# Altium PCB PCB1 - 副本 (2).PcbDoc (part 1 of 2)
Units mm, origin at the board's own origin, x right, y up, seen from the top; angles counter-clockwise.
Board outline 37.12 x 50.11 mm, 4 copper layers (Top Layer, GND02, PWRO3, Bottom Layer), stack 0.603 mm thick; 63 components, 63 nets, 344 pads, 86 vias.
Unrouted connection lines stored in the file: 23.
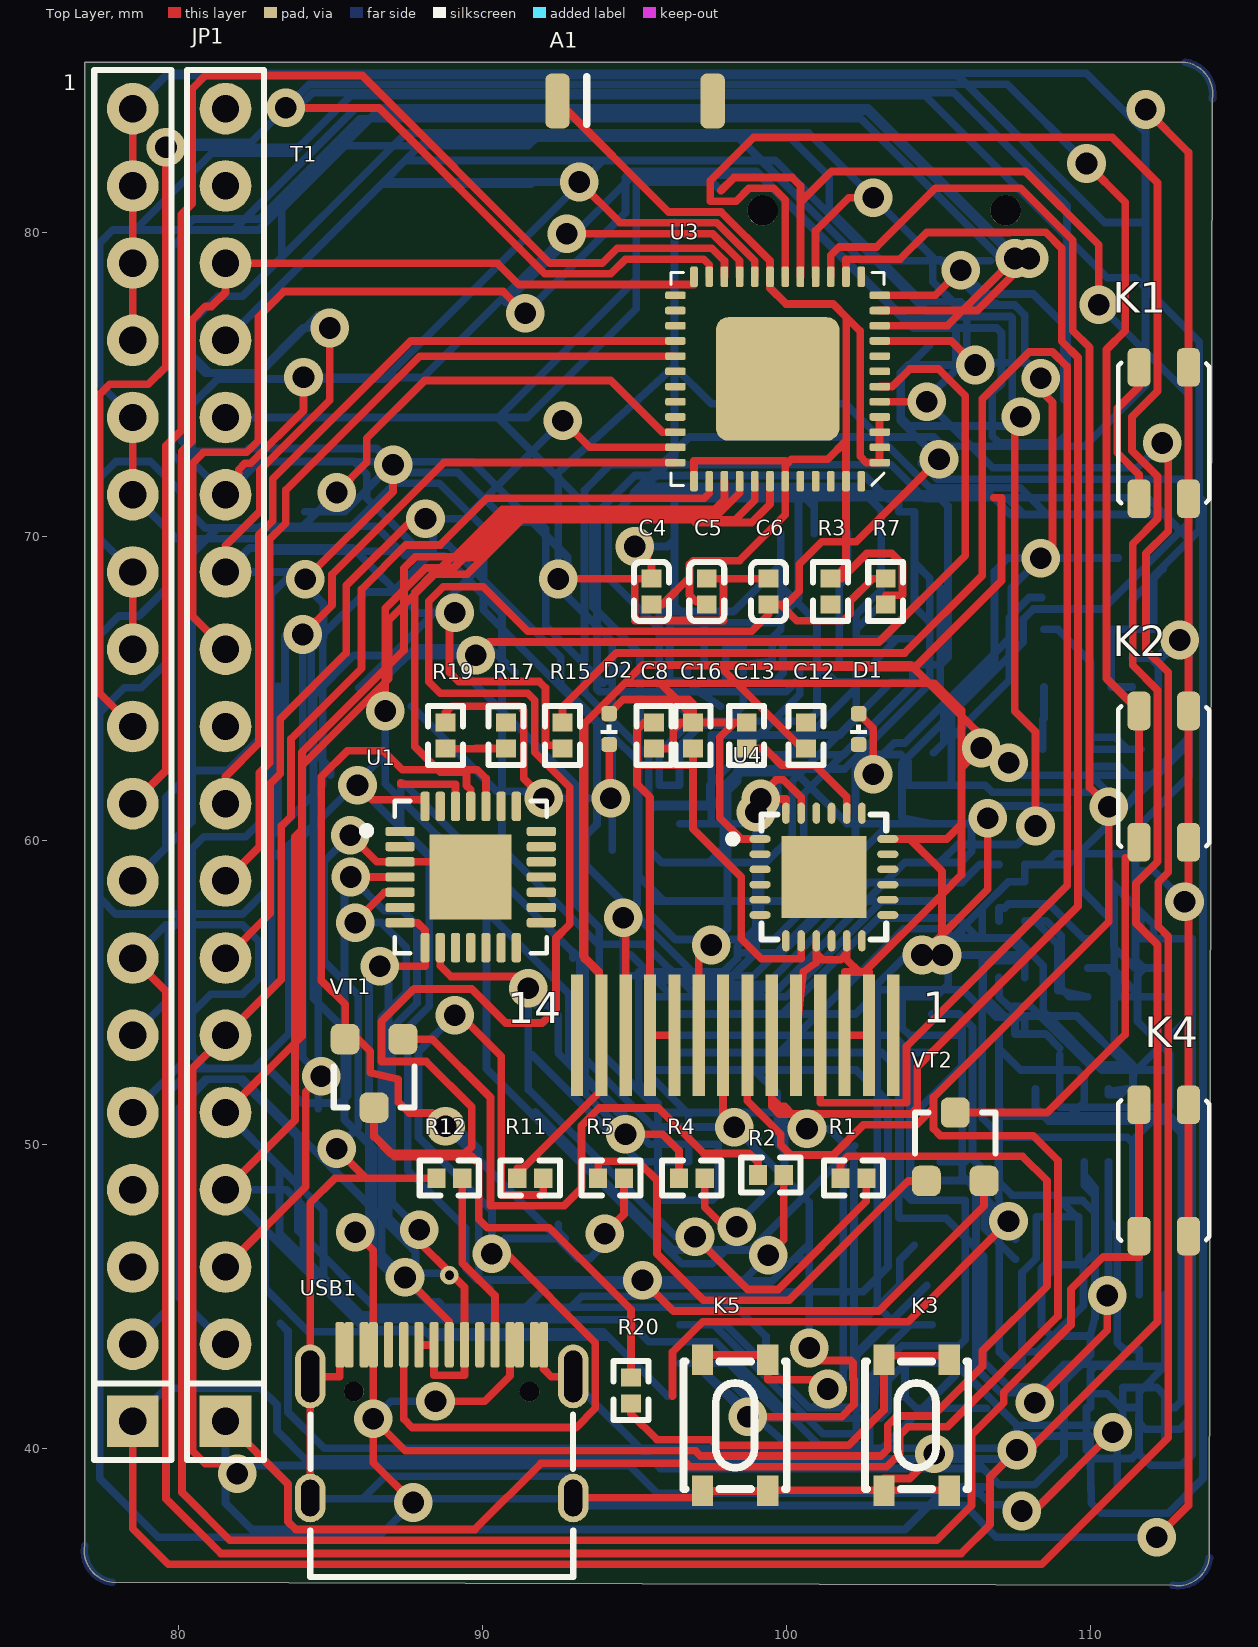
[diagram p0: Top Layer view]
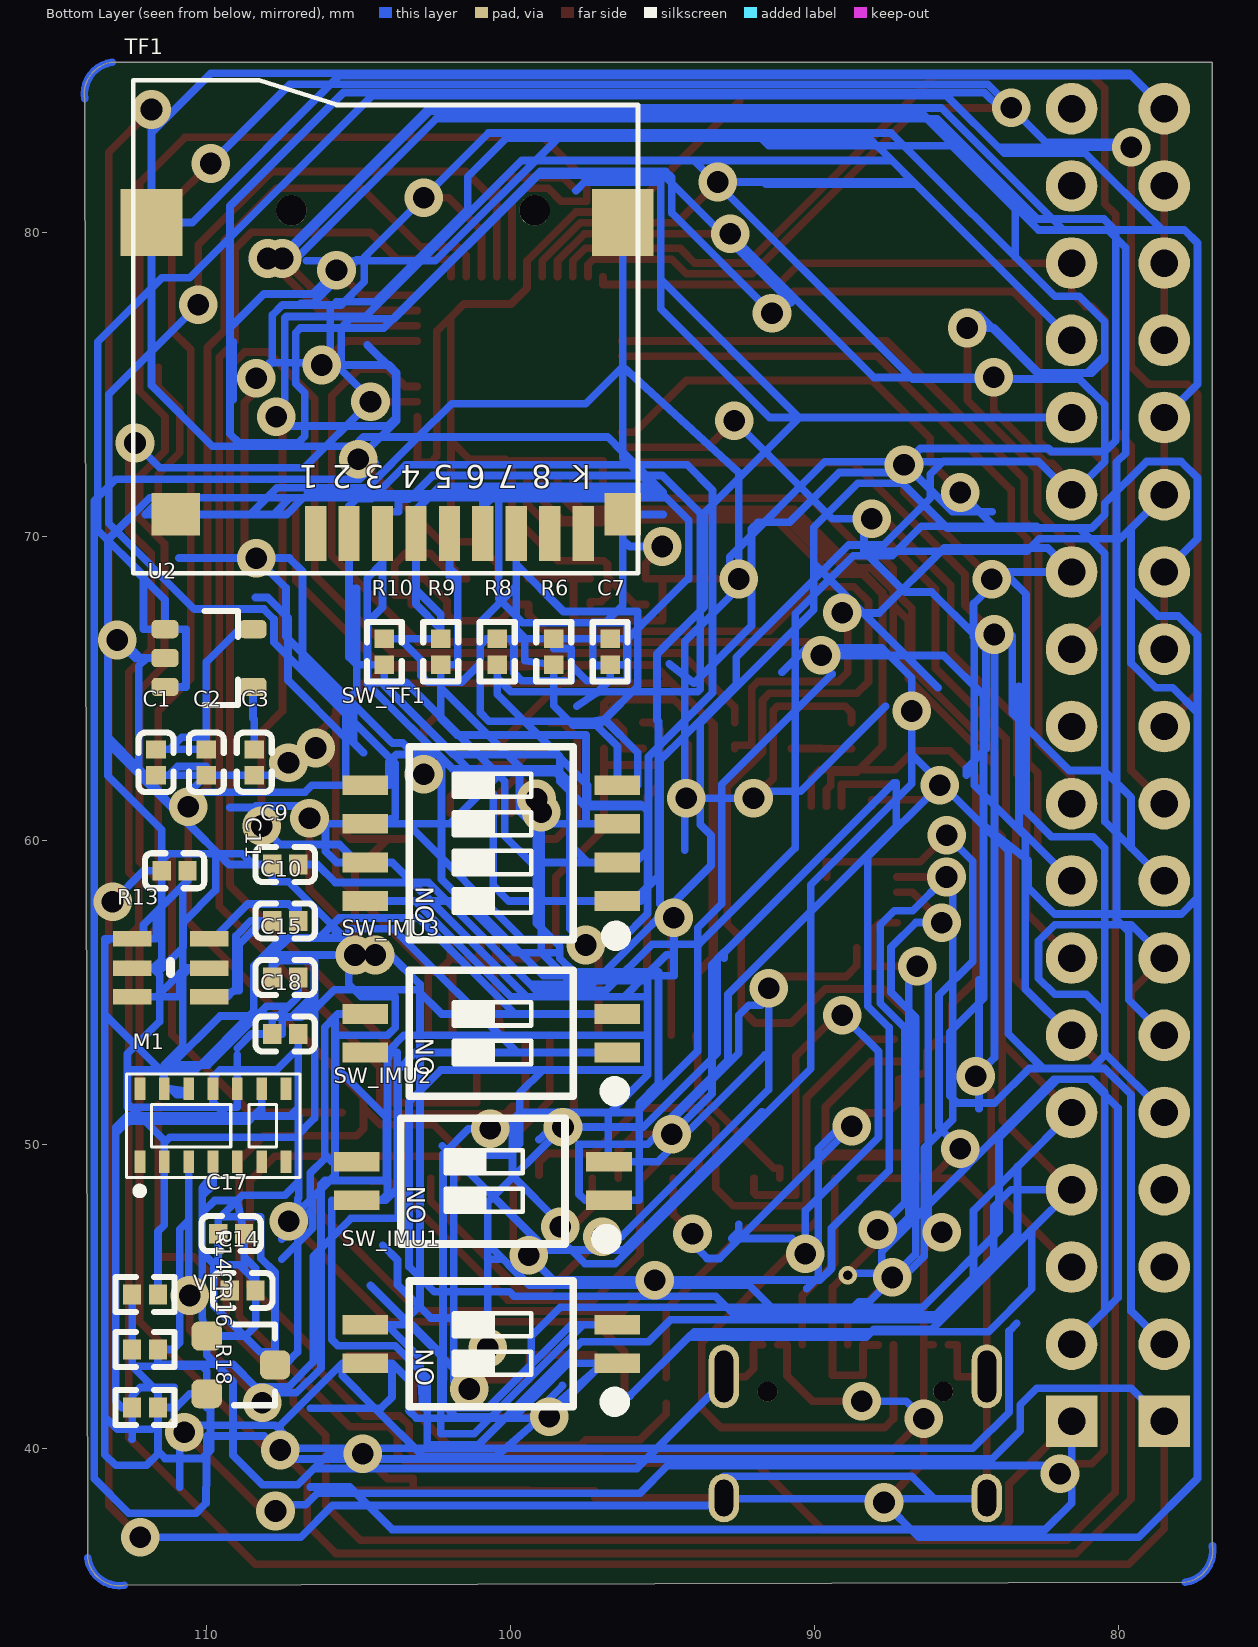
[diagram p1: Bottom Layer view, seen from below]
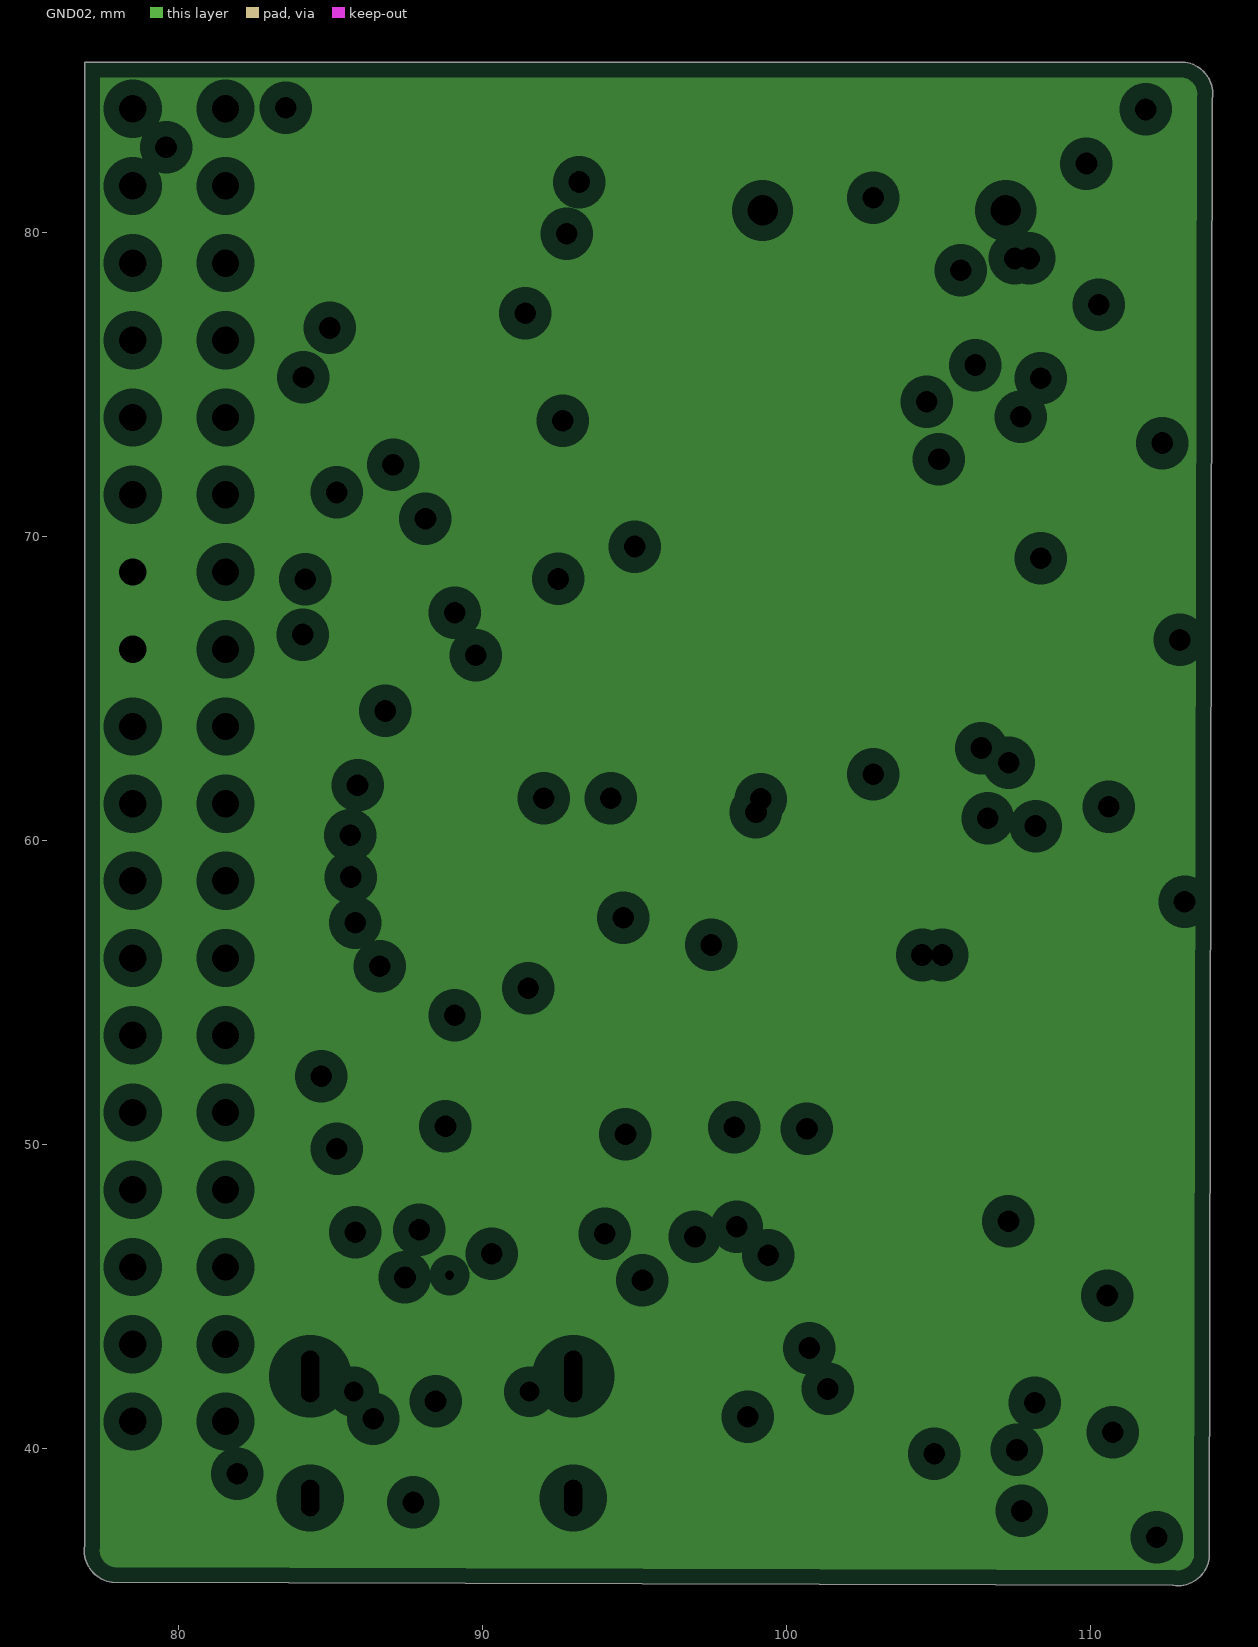
[diagram p2: GND02, clearances drawn from the general rule]
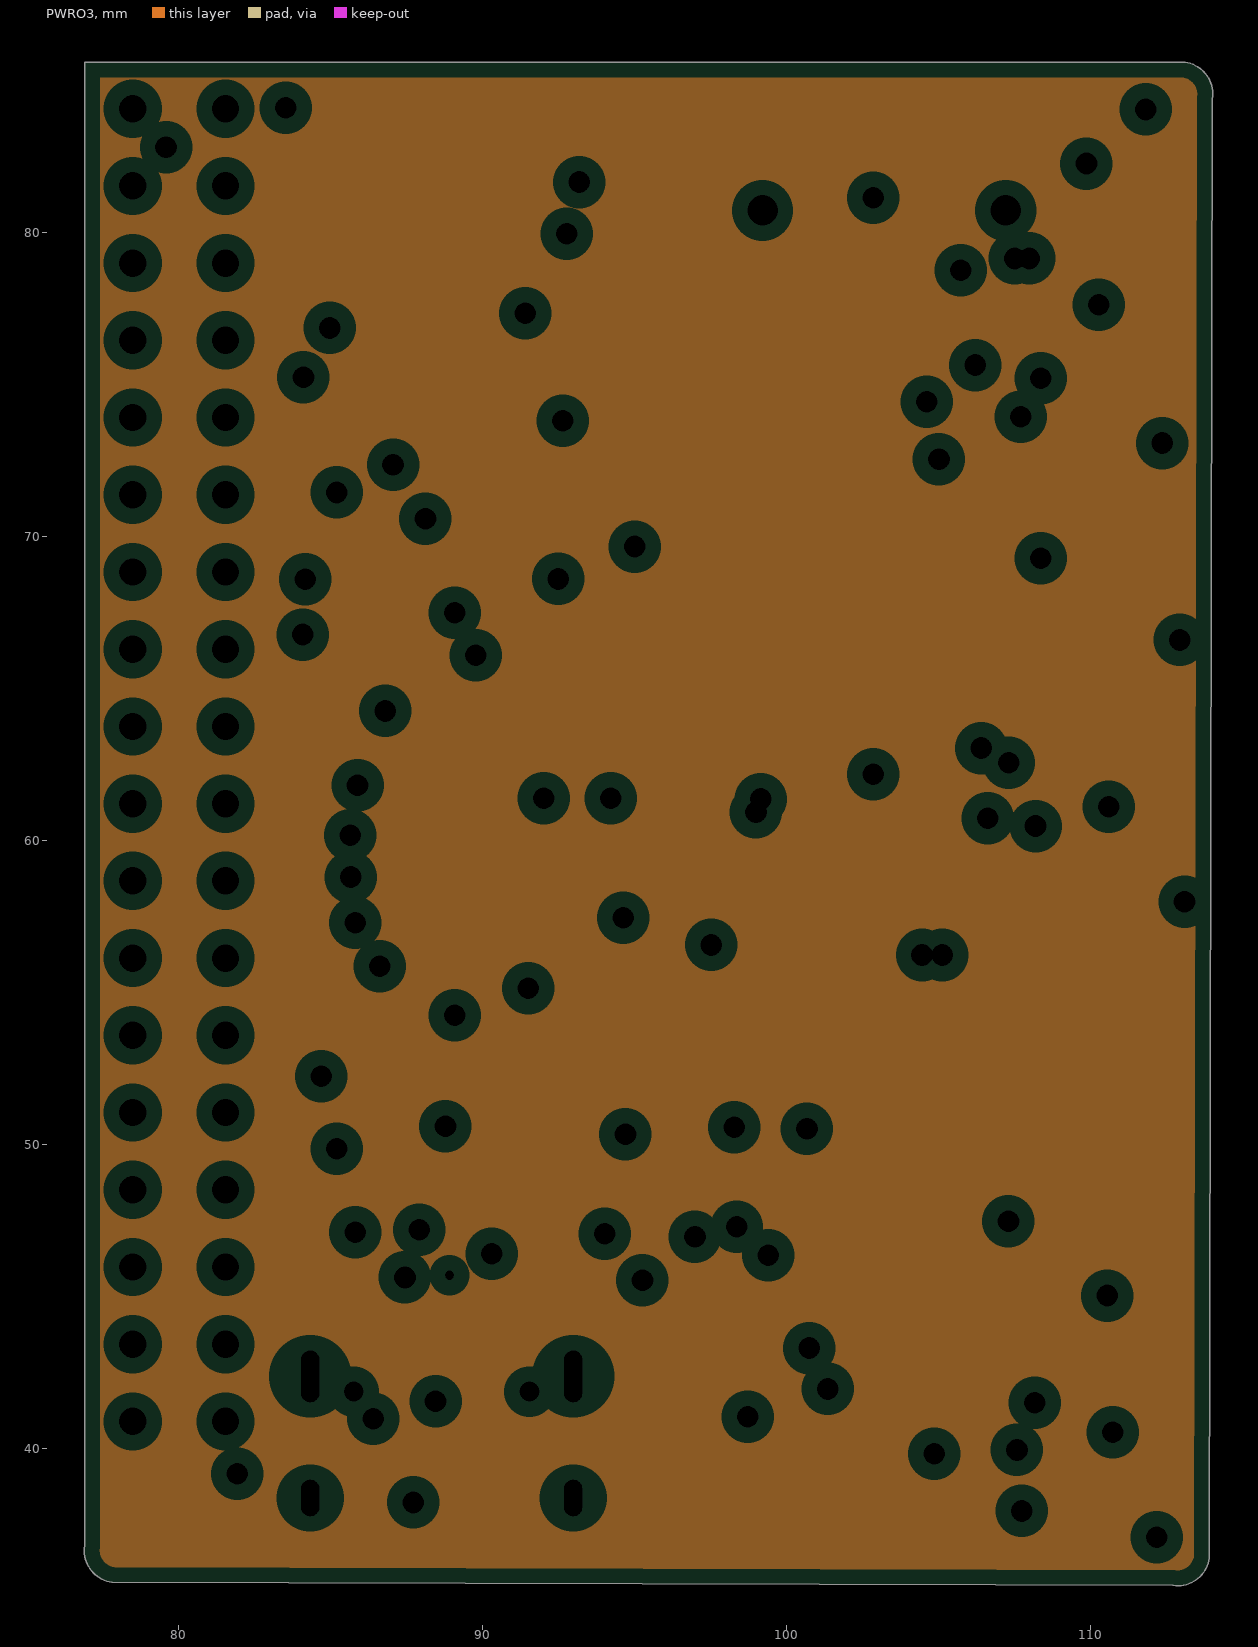
[diagram p3: PWRO3, clearances drawn from the general rule]

## Layer stack, top to bottom
Top Solder: solder mask 0.0102, Solder Resist, Dk 3.5
Top Layer: signal copper 0.0356
Dielectric 2: prepreg 0.0711, PP-006, Dk 4.1
GND02: plane copper 0.035, net VCC_3V3
Dielectric 1: dielectric 0.32, FR-4, Dk 4.8
PWRO3: plane copper 0.035
Dielectric 3: prepreg 0.0711, PP-006, Dk 4.1
Bottom Layer: signal copper 0.0356
Bottom Solder: solder mask 0.0102, Solder Resist, Dk 3.5

## Board outline
76.9,36.8 ccw(c77.95,36.65) 77.8,35.6 112.7,35.5 ccw(c112.85,36.55) 113.9,36.4 114,84.4 ccw(c112.95,84.55) 113.1,85.6 76.962,85.598 76.9,85.6

## Design rules (kind name [scope] priority, off if disabled: settings)
Clearance [All] p1: gap=0.1 ignorepadtopadclearanceinfootprint=FALSE
PlaneClearance [All] p1: clearance=0.508
PlaneConnect [All] p1: planeconnectstyle=Relief reliefexpansion=0.508 reliefentries=4 reliefconductorwidth=0.254 reliefairgap=0.254
PolygonConnect [All] p1: connectstyle=Relief reliefconductorwidth=0.254 reliefentries=4 polygonreliefangle="90 Angle" airgapwidth=0.254
RoutingVias [All] p1: holewidth=0.711 width=1.27 viastyle="Through Hole" minholewidth=0.711 minwidth=1.27 maxholewidth=0.711 maxwidth=1.27
SolderMaskExpansion [All] p1: expansion=0.102 istentingtop=FALSE
Width [All] p1: maxlimit=0.254 minlimit=0.254 preferedwidth=0.254
28 further rules are at their usual default settings.

## Components (designator, comment, footprint, x,y, rotation, side; value= is the part's Value field where it differs from the comment)
1 "HDR-1X18" HDR2.54-LI-18P 78.486,62.484 r90 top
A1 "RAINSUN" ANT-Rainsun-AN5120 94.996,84.328 r0 top
C1 "0.1uF" 0402_C 111.648,62.574 r90 bottom value=0.1u
C2 "10uF" 0402_C 109.998,62.574 r90 bottom value=0.1u
C3 "10nF" 0402_C 108.42,62.574 r90 bottom value=0.1u
C4 "10nF" 0402_C 95.545,68.191 r270 top value=0.1u
C5 "0.1uF" 0402_C 97.364,68.191 r270 top value=0.1u
C6 "0.1uF" 0402_C 99.398,68.191 r270 top value=0.1u
C7 "100nf" 0402_R 96.711,66.21 r90 bottom
C8 "10nF" 0402_R 95.631,63.456 r270 top value=0.1u
C9 "10uF (106) 10% 10V" 0402_C 107.4,59.214 r0 bottom
C10 "1uF (105) 10% 50V" 0402_C 107.4,57.356 r180 bottom
C11 "10uF (106) 10% 10V" 0402_C 111.039,59.007 r180 bottom
C12 "0.1uF" 0402_R 100.628,63.456 r270 top value=0.1u
C13 "2.2nF" 0402_R 98.679,63.456 r270 top value=0.1u
C14 "100nF (104) 10% 50V" 0402_C 108.8,45.2 r180 bottom
C15 "100nF (104) 10% 50V" 0402_C 107.4,55.498 r180 bottom
C16 "0.1uF" 0402_R 96.912,63.456 r270 top value=0.1u
C17 "100nF (104) 10% 50V" 0402_C 109.178,47.069 r180 bottom
C18 "10uF (106) 10% 10V" 0402_C 107.4,53.64 r0 bottom
D1 "color?" LED_0402_RED 102.362,63.667 r90 top
D2 "color?" LED_0402_RED 94.155,63.667 r90 top
JP1 "HDR-1X18" HDR2.54-LI-18P 81.534,62.484 r90 top
K1 "TACT 4P" ButtonTACT_3.5*3.55_90 112.395,73.406 r270 top value=3.4x3.5
K2 "TACT 4P" ButtonTACT_3.5*3.55_90 112.395,62.103 r270 top value=3.4x3.5
K3 "TACT 4P" "SW-SMD_4P-L4.2-W3.3-P2.15-LS5.1 - duplicate" 104.267,40.767 r90 top value=3.4x3.5
K4 "TACT 4P" ButtonTACT_3.5*3.55_90 112.395,49.149 r270 top value=3.4x3.5
K5 "TACT 4P" "SW-SMD_4P-L4.2-W3.3-P2.15-LS5.1 - duplicate" 98.298,40.767 r90 top value=3.4x3.5
M1 "MAX30102" MAX30102 109.769,50.364 r90 bottom
R1 "10K" 0402_R 102.19,48.895 r180 top value=22R
R2 "12K" 0402_R 99.475,49 r0 top value=22R
R3 "0R" 0402_R 101.432,68.191 r270 top value=22R
R4 "200R" 0402_R 96.874,48.895 r0 top value=22R
R5 "12K" 0402_R 94.216,48.895 r0 top value=22R
R6 "10K" 0402_R 98.569,66.21 r90 bottom
R7 "10K" 0402_R 103.251,68.191 r270 top value=22R
R8 "10K" 0402_R 100.427,66.21 r90 bottom
R9 "10K" 0402_R 102.285,66.21 r90 bottom
R10 "10K" 0402_R 104.143,66.21 r90 bottom
R11 "5.1K" 0402_R 91.558,48.895 r180 top value=22R
R12 "5.1K" 0402_R 88.9,48.895 r180 top value=22R
R13 "RCWL_9183" RCWL-9183 111.166,55.756 r270 bottom
R14 "4.7K" 0402_R 112.012,45.07 r0 bottom value=22R
R15 "10R" 0402_R 92.616,63.456 r90 top
R16 "4.7K" 0402_R 112.012,43.259 r0 bottom value=22R
R17 "1K" 0402_R 90.758,63.456 r90 top value=22R
R18 "4.7K" 0402_R 112.012,41.354 r0 bottom value=22R
R19 "1K" 0402_R 88.773,63.456 r90 top value=22R
R20 "1K" 0402_R 94.869,41.91 r90 top value=22R
SW_IMU1 "SW-2P" "SW1.27 SMD-2P" 100.624,43.442 r90 bottom
SW_IMU2 "SW-2P" "SW1.27 SMD-2P" 100.9,48.8 r90 bottom
SW_IMU3 "SW-2P" "SW1.27 SMD-2P" 100.624,53.662 r90 bottom
SW_TF1 "SW-4P" "SW1.27 SMD-4P" 100.624,59.915 r90 bottom
T1 "TFT177PF254" TFT144PF254 83.55,44.934 r0 top
TF1 "TF_Card" "Micro SD" 103.2,80.727 r0 bottom
U1 "CP2102" QFN-28 89.6,58.8 r0 top value=Value
U2 "LP2992 3V3" SOT23-5 109.857,66.004 r180 bottom
U3 "ESP32_SIP" QFN-48_7X7 99.695,75.184 r180 top
U4 "MPU6050" QFN-24 101.219,58.801 r0 top
USB1 "Type-C" "Type-C-TOP - duplicate1" 88.646,40.894 r270 top
VT1 "S8050" SMT_TRIODE_NPN 86.421,52.342 r180 top
VT2 "S8050" SMT_TRIODE_NPN 105.537,49.929 r0 top
VT3 "S8050" SMT_TRIODE_NPN 108.862,42.751 r270 bottom

## Footprints (in the part's own frame and the unit in brackets; to place one, negate y for a bottom-side part, rotate by r counter-clockwise, add the part's x,y. Pads: shape width x height; smd on the part's side, far side on the other; paste and mask are expansions set on the pad)
0402_C [mm]
  rect 0.6x0.65 smd mask+0.051: 1(-0.425,0) 2(0.425,0)
  silkscreen extent -0.97,-0.58 0.98,0.58, body extent -0.48,-0.3 0.52,0.3, height 0.2
0402_R [mm]
  rect 0.6x0.65 smd mask+0.051: 1(-0.425,0) 2(0.425,0)
  silkscreen extent -0.97,-0.58 0.97,0.58, body extent -0.57,-0.27 0.58,0.28, height 0.41
ANT-Rainsun-AN5120 [mm]
  rrect50% 0.8x1.8 smd: 1(-2.54,0) ""(2.563,0)
  silkscreen extent -1.57,-0.76 -1.57,0.79, body extent -2.57,-0.91 2.54,0.94, height 1.32
ButtonTACT_3.5*3.55_90 [mil]
  rrect50% 50x30 smd: 1(-85,32) 2(-85,-32) 3(85,32) 4(85,-32)
  silkscreen extent -91,-59 91,59, body extent -90,-55 91,85, height 56
HDR2.54-LI-18P [mm] "排针，18脚"
  rect 1.7x1.7 hole 0.9: 1(-21.59,0)
  round 1.7 hole 0.9: 2(-19.05,0) 3(-16.51,0) 4(-13.97,0) 5(-11.43,0) 6(-8.89,0) 7(-6.35,0) 8(-3.81,0) 9(-1.27,0) 10(1.27,0) 11(3.81,0) 12(6.35,0) 13(8.89,0) 14(11.43,0) 15(13.97,0) 16(16.51,0) 17(19.05,0) 18(21.59,0)
  silkscreen extent -22.86,-1.27 22.86,1.27, body extent -22.86,-1.27 22.86,1.27, height 2.54
LED_0402_RED [mil]
  rrect50% 20x20 smd: 1(-20,0) 2(20,0)
  silkscreen extent -6,-10 6,10, body extent -20,-10 20,10, height 18
MAX30102 [mm]
  rect 0.75x0.35 smd: 1(-0.93,2.408) 2(-0.93,1.608) 3(-0.93,0.808) 4(-0.93,0.008) 5(-0.93,-0.792) 6(-0.93,-1.592) 7(-0.93,-2.392) 8(1.47,-2.392) 9(1.47,-1.592) 10(1.47,-0.792) 11(1.47,0.008) 12(1.47,0.808) 13(1.47,1.608) 14(1.47,2.408)
  silkscreen extent -2.01,-2.85 1.96,2.85
"Micro SD" [mm] "淘宝ID:黄晶宝石"
  round 1 hole 1 unplated: 0(-4,0) 0(4,0)
  rect 0.7x1.8 smd: 1(3.2,10.627) 2(2.1,10.627) 3(1,10.627) 4(-0.1,10.627) 5(-1.2,10.627) 6(-2.3,10.627) 7(-3.4,10.627) 8(-4.5,10.627) 9(-5.6,10.627)
  rect 2.032x2.2 smd: 10(-6.9,0.4) 10(8.6,0.4)
  rect 1.2x1.4 smd: 10(-6.9,10)
  rect 1.6x1.4 smd: 10(7.8,10)
  silkscreen extent -7.4,-4.28 9.2,11.94, body extent -7.05,-3.87 8.95,11.38, height 2
QFN-24 [mm]
  oval 0.7x0.25 smd: 1(-2.1,1.25) 2(-2.1,0.75) 3(-2.1,0.25) 4(-2.1,-0.25) 5(-2.1,-0.75) 6(-2.1,-1.25) 13(2.1,-1.25) 14(2.1,-0.75) 15(2.1,-0.25) 16(2.1,0.25) 17(2.1,0.75) 18(2.1,1.25)
  oval 0.25x0.7 smd: 7(-1.25,-2.1) 8(-0.75,-2.1) 9(-0.25,-2.1) 10(0.25,-2.1) 11(0.75,-2.1) 12(1.25,-2.1) 19(1.25,2.1) 20(0.75,2.1) 21(0.25,2.1) 22(-0.25,2.1) 23(-0.75,2.1) 24(-1.25,2.1)
  rect 2.8x2.7 smd: ""(0,0)
  silkscreen extent -3.12,-2.05 2.05,2.05, body extent -2.02,-2.02 2.02,2.02, height 0.95
QFN-28 [mil]
  rrect50% 38x12 smd mask+5: 1(-91.5,59.05) 2(-91.5,39.37) 3(-91.5,19.68) 4(-91.5,0) 5(-91.5,-19.69) 6(-91.5,-39.37) 7(-91.5,-59.06) 15(91.5,-59.06) 16(91.5,-39.37) 17(91.5,-19.69) 18(91.5,0) 19(91.5,19.68) 20(91.5,39.37) 21(91.5,59.05)
  rrect50% 12x38 smd mask+5: 8(-59.06,-91.5) 9(-39.37,-91.5) 10(-19.68,-91.5) 11(0,-91.5) 12(19.69,-91.5) 13(39.37,-91.5) 14(59.06,-91.5) 22(59.06,91.5) 23(39.37,91.5) 24(19.69,91.5) 25(0,91.5) 26(-19.68,91.5) 27(-39.37,91.5) 28(-59.06,91.5)
  rect 106.3x110.24 smd: 29(0,0)
  silkscreen extent -140,-99 99,98, body extent -98,-98 98,98, height 35